# Altium PCB old PT1000_16CH.PCBDOC (part 5 of 5)
Units mil, origin at the board's own origin, x right, y up, seen from the top; angles counter-clockwise.
Board outline 8409.08 x 3937.01 mil, 4 copper layers (TOP, G1, L2, BOT), stack 61.024 mil thick; 557 components, 501 nets, 2175 pads, 416 vias.
Unrouted connection lines stored in the file: 636.
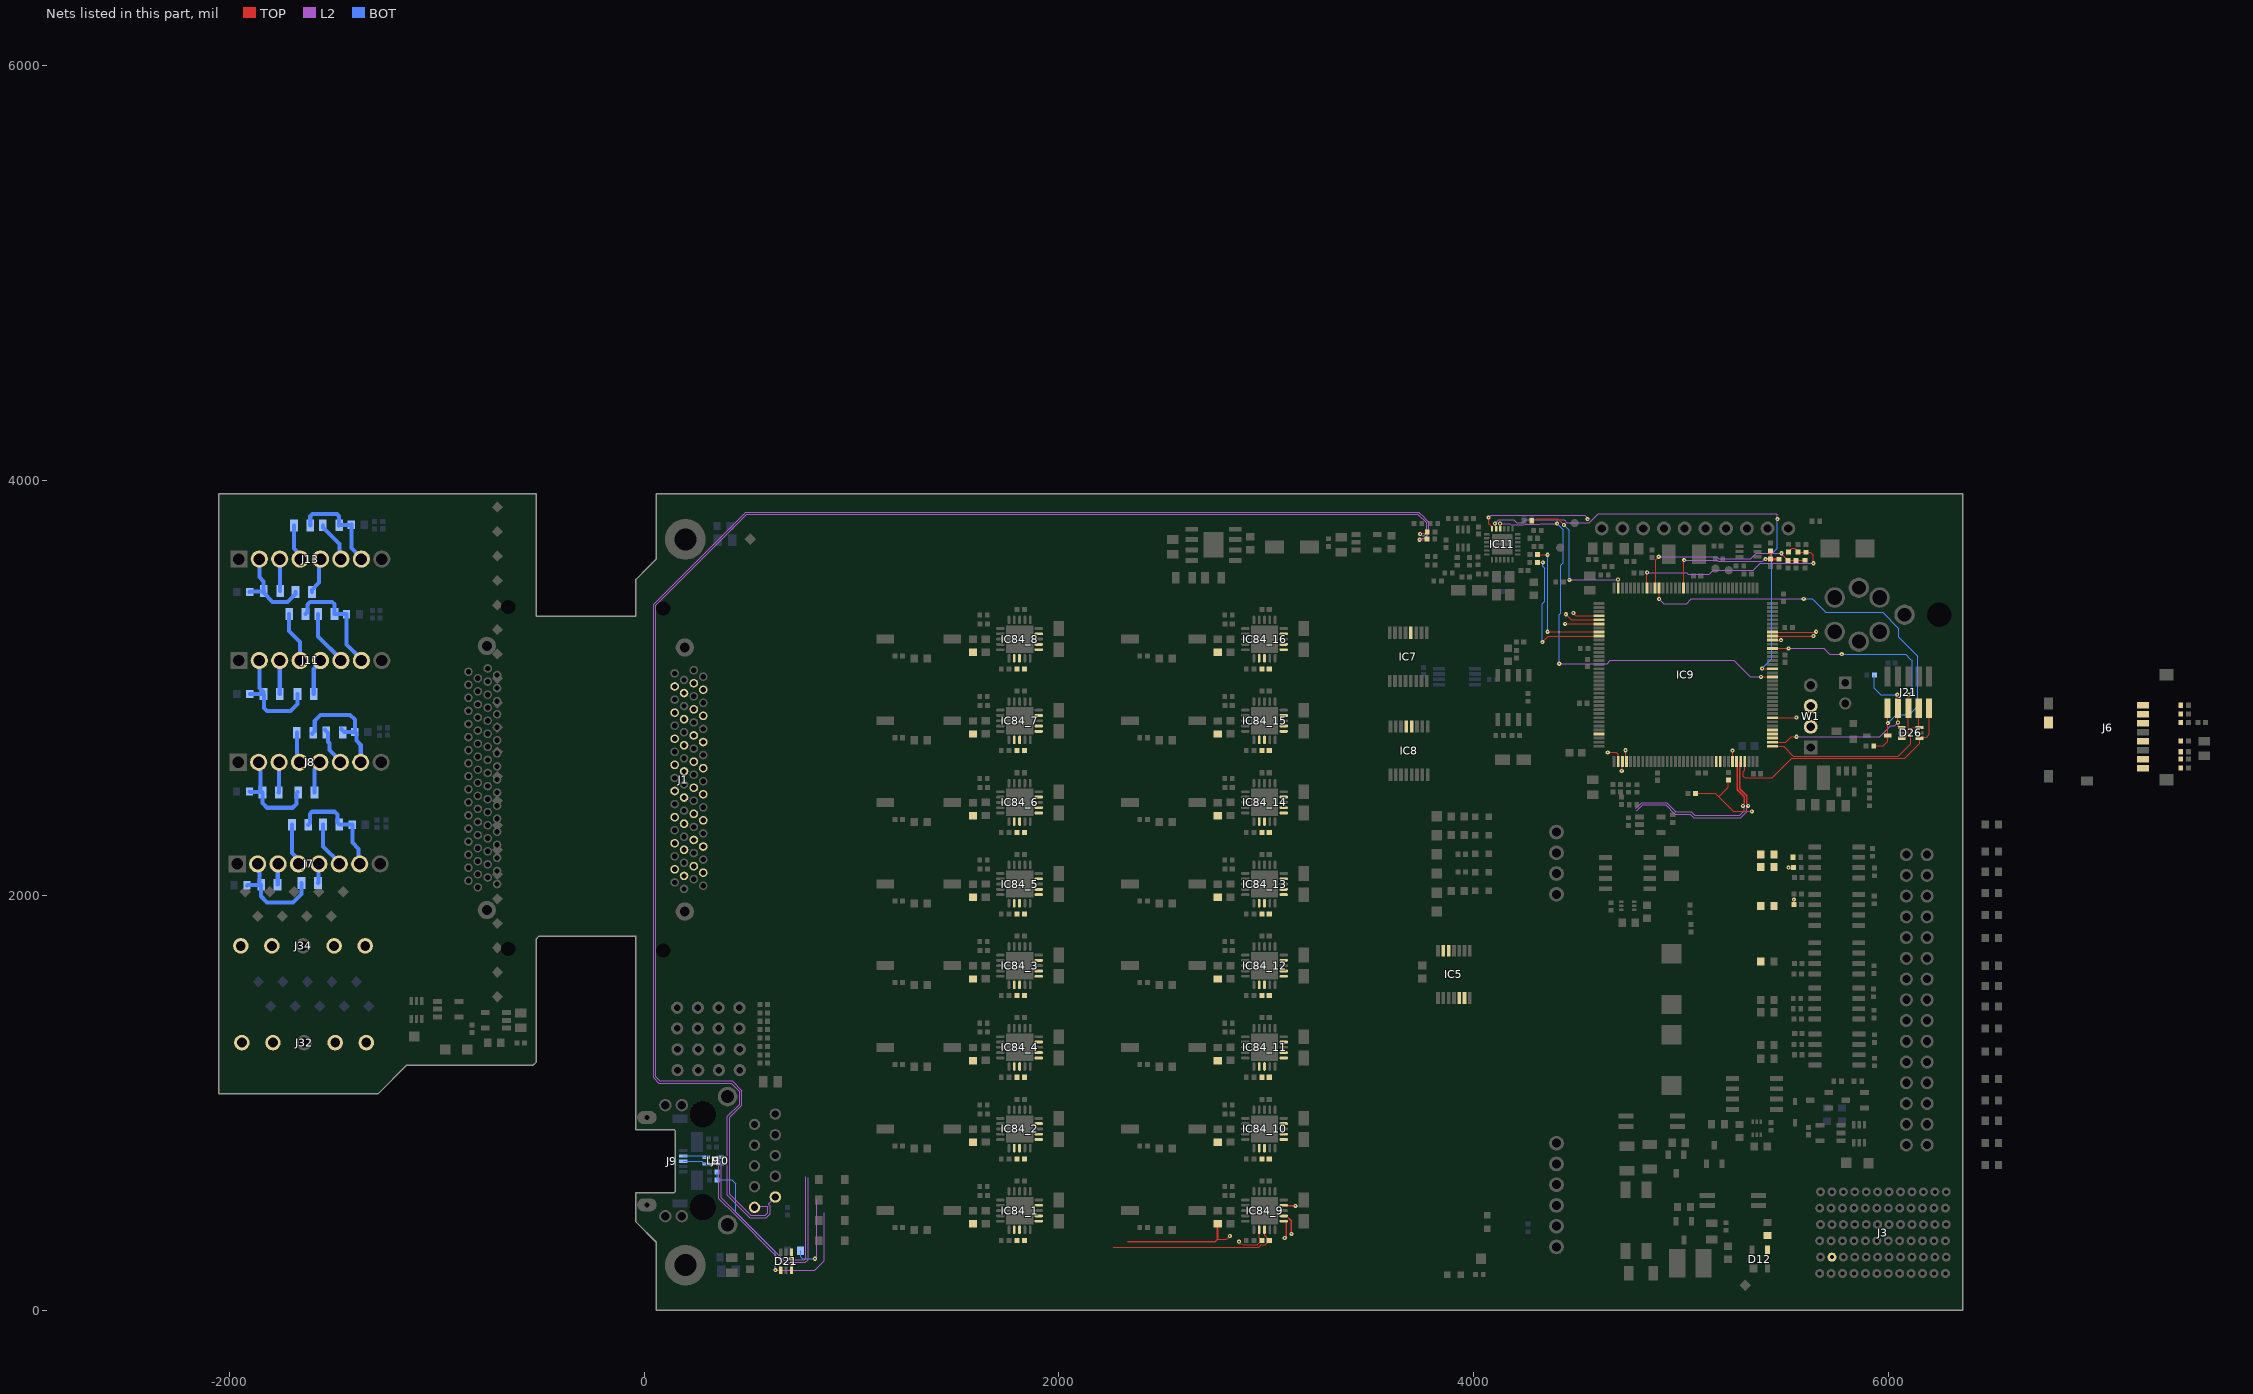
[diagram p7: the nets of this part, all layers, seen from the top]

## Via types
v1: diameter 19.68, hole 7.87, TOP to BOT, tented both sides, 335 vias
v2: diameter 27.56, hole 15.75, TOP to BOT, tented both sides, 56 vias
v3: diameter 23.62, hole 11.81, TOP to BOT, 10 vias
v4: diameter 19.68, hole 7.87, TOP to BOT, 5 vias
v5: diameter 23.62, hole 11.81, TOP to BOT, tented both sides, 5 vias
v6: diameter 25.98, hole 12.99, TOP to BOT, tented both sides, 5 vias

## Nets (pads, with @x,y where several pads share a name; then routed paths per layer and width w, separated by ;. In a path a pad name is that pad's centre, name@x,y a point inside that pad or via, vN(x,y) a via of type N, cw(c..) or ccw(c..) an arc to the next point about the centre after c; other vN are vias at no path point) (continued)
RMII_REF_CLK: IC9.35 R29.1 | length 725.4
  TOP w5: R29.1@4280.24,3806.89 4285.26,3811.91 4296.23,3811.91 4301.66,3817.34 4405.43,3817.34 v1(4436,3786.76) ; v1(4697.01,3523.6) 4697.48,3523.13 4697.48,3482.5 IC9.35@4697.95,3482.03
  L2 w5: v1(4462.45,3522.15) 4463.18,3522.88 4696.28,3522.88 v1(4697.01,3523.6)
  BOT w5: v1(4436,3786.76) 4462.45,3760.31 v1(4462.45,3522.15)
RMII_RXD0: IC9.44 R23.1 | length 669
  TOP w5: R23.1@4308.89,3642.91 R23.1@4308.89,3643.7 4356.56,3643.7 v1(4357.34,3642.91) ; v1(4357.34,3271.71) 4603.15,3271.71 IC9.44@4604.44,3270.41
  BOT w5: v1(4357.34,3271.71) 4358.03,3272.39 4358.03,3642.23 v1(4357.34,3642.91)
RMII_RXD1: IC9.45 R24.1 | length 703.9
  TOP w5: R24.1@4308.65,3606.3 v1(4334.49,3606.3) ; v1(4332.19,3221.74) 4361.18,3250.73 4555.23,3250.73 IC9.45@4604.44,3250.73
  BOT w5: v1(4332.19,3221.74) 4332.19,3406.85 4344.5,3419.15 4344.5,3577.31 4334.49,3587.32 v1(4334.49,3606.3)
RMII_TX_EN: IC9.126 IC11.16 | length 2070.7
  TOP w5: v1(4127.83,3793.62) 4128.28,3793.17 4128.28,3768.17 IC11.16@4128.73,3767.72 ; v1(5386.29,3053.88) IC9.126@5441.06,3053.88
  L2 w5: v1(4127.83,3793.62) 4175.84,3793.62 4182.65,3786.82 4243.15,3786.82 4245.99,3789.66 4317.42,3789.66 4321.08,3793.31 v1(4403.34,3793.31) ; v1(4413.51,3117.5) 4643.94,3117.5 4660.3,3133.86 5255.12,3133.86 5335.09,3053.88 v1(5386.29,3053.88)
  BOT w5: v1(4403.34,3793.31) 4432.72,3763.94 4432.72,3604.94 4420.68,3592.9 4420.68,3360.77 4413.51,3353.6 v1(4413.51,3117.5)
RMII_TXD0: IC9.128 IC11.17 | length 2256.8
  TOP w5: v1(4103.14,3793.62) 4103.14,3789.65 4106.03,3786.76 4106.03,3770.73 IC11.17@4109.04,3767.72 ; v1(5391.77,3094.48) 5392.39,3093.87 5440.44,3093.87 IC9.128@5441.06,3093.25
  L2 w5: v1(4103.14,3793.62) 4120.49,3810.97 4193.44,3810.97 4207.59,3796.82 4239.01,3796.82 4252.85,3810.66 4436.63,3810.66 4450.13,3797.16 4558.12,3797.16 4602.42,3841.46 5459.54,3841.46 5465,3836 v1(5465,3814.5)
  BOT w5: v1(5391.77,3094.48) 5439,3141.71 5439,3648.51 5465,3674.51 v1(5465,3814.5)
RMII_TXD1: IC9.74 IC11.18 | length 644.2
  TOP w5: v1(4073,3821.61) 4073,3792.15 4089.36,3775.79 IC11.18@4089.36,3767.72 ; v1(4647.4,2690.04) 4687.41,2690.04 4697.95,2679.5 IC9.74@4697.95,2645.41
  L2 w5: v1(4073,3821.61) 4085.73,3834.34 4536.76,3834.34 4543.02,3828.08 4543.02,3825.88 4550.43,3818.47 v1(4550.43,3814.5)
RSTn: D5.2 IC9.25 J21.10 R62.2 | length 2107.3
  TOP w5: v1(4894.8,3429.35) IC9.25@4894.8,3482.03 ; R62.2@5930.18,2721.3 5975.58,2721.3 5996.85,2742.57 J21.10@5996.85,2897.64
  L2 w5: v1(4894.8,3429.35) 4916.53,3407.62 5027.09,3407.62 5049.53,3430.06 5527.12,3430.06 v1(5592.52,3430.06)
  BOT w5: v1(5592.52,3430.06) 5633.9,3430.06 5698.8,3365.16 5972.47,3365.16 6050.98,3286.65 6050.98,3243.97 6142,3152.95 6142,2911.77 6101.78,2871.55 6037.97,2871.55 v1(5997.75,2831.33)
RTDIN_N00: C156_1.2 IC84_1.8 J1.4
RTDIN_N01: C156_2.2 IC84_2.8 J1.8
RTDIN_N02: C156_3.2 IC84_3.8 J1.12
RTDIN_N03: C156_4.2 IC84_4.8 J1.16
RTDIN_N04: C156_5.2 IC84_5.8 J1.20
RTDIN_N05: C156_6.2 IC84_6.8 J1.24
RTDIN_N06: C156_7.2 IC84_7.8 J1.28
RTDIN_N07: C156_8.2 IC84_8.8 J1.32
RTDIN_N08: C156_9.2 IC84_9.8 J1.38 | length 828
  TOP w6: 2263.14,302.62 2869.79,302.62 2963.29,302.62 2975.29,314.62 2995.46,314.62 3000.73,319.9 3000.73,321.6 C156_9.2@3014.96,335.83 3005.75,345.03 3005.75,346.74 2992.13,360.37 IC84_9.8@2992.13,387.8
RTDIN_N09: C156_10.2 IC84_10.8 J1.42
RTDIN_N10: C156_11.2 IC84_11.8 J1.46
RTDIN_N11: C156_12.2 IC84_12.8 J1.50
RTDIN_N12: C156_13.2 IC84_13.8 J1.54
RTDIN_N13: C156_14.2 IC84_14.8 J1.58
RTDIN_N14: C156_15.2 IC84_15.8 J1.62
RTDIN_N15: C156_16.2 IC84_16.8 J1.66
RTDIN_P00: C156_1.1 IC84_1.7 J1.3 R351_1.2
RTDIN_P01: C156_2.1 IC84_2.7 J1.7 R351_2.2
RTDIN_P02: C156_3.1 IC84_3.7 J1.11 R351_3.2
RTDIN_P03: C156_4.1 IC84_4.7 J1.15 R351_4.2
RTDIN_P04: C156_5.1 IC84_5.7 J1.19 R351_5.2
RTDIN_P05: C156_6.1 IC84_6.7 J1.23 R351_6.2
RTDIN_P06: C156_7.1 IC84_7.7 J1.27 R351_7.2
RTDIN_P07: C156_8.1 IC84_8.7 J1.31 R351_8.2
RTDIN_P08: C156_9.1 IC84_9.7 J1.37 R351_9.2 | length 763.8
  TOP w6: 2765.75,342.52 2809.17,342.52 v1(2824.8,358.15) ; v1(2868.85,330.85) 2868.85,321.43 2869.75,320.53 2882.88,320.53 2888.79,314.62 2958.32,314.62 C156_9.1@2979.53,335.83 2966.54,348.82 IC84_9.7@2966.54,387.8
  TOP w7.87: 2334.06,330.85 2754.07,330.85 2765.75,342.52 R351_9.2@2765.75,415.24
RTDIN_P09: C156_10.1 IC84_10.7 J1.41 R351_10.2
RTDIN_P10: C156_11.1 IC84_11.7 J1.45 R351_11.2
RTDIN_P11: C156_12.1 IC84_12.7 J1.49 R351_12.2
RTDIN_P12: C156_13.1 IC84_13.7 J1.53 R351_13.2
RTDIN_P13: C156_14.1 IC84_14.7 J1.57 R351_14.2
RTDIN_P14: C156_15.1 IC84_15.7 J1.61 R351_15.2
RTDIN_P15: C156_16.1 IC84_16.7 J1.65 R351_16.2
RXD: IC9.137 W1.2 | length 211.7
  TOP w5: IC9.137@5441.06,3270.41 5650.73,3270.41 v1(5652.19,3271.87)
SCKI: IC9.69 R41.2 R110.1
SD_CK: IC9.113 J6.5 R13.1
SD_CMD: IC9.116 J6.3 R9.1 | length 116.5
  TOP w5: IC9.116@5441.06,2857.03 5441.68,2857.65 5556.47,2857.65 v1(5557.09,2858.27)
SD_D0: IC9.98 J6.7 R78.1 R79.1
SD_D1: IC9.99 J6.8
SD_D2: IC9.111 J6.1 R76.1
SD_D3: IC9.112 J6.2 R77.1
SD_SW: J6.12 R80.1
SDI: IC9.76 R37.2 R108.1 | length 81.4
  TOP w5: v1(4733,2700.34) 4735.16,2698.18 4735.16,2647.57 IC9.76@4737.32,2645.41 ; v1(5518.89,2134.29) R108.1@5543.6,2134.29
SDO: IC9.75 R38.2 R113.1 | length 69.7
  TOP w5: v1(4715.01,2600.95) 4717.63,2603.57 IC9.75@4717.63,2645.41 ; R113.1@5544.95,1955.38 v1@5544.95,1979.5
  BOT w5: v1@5544.95,1979.5 v1(5545,1979.55)
SENSB0_1: J7.6 R157.1 | length 216.7
  BOT w19.68: R157.1@-1548.37,2342 -1548.37,2236.91 J7.6@-1469.43,2157.96
SENSB0_2: J7.5 R158.1 | length 99.9
  BOT w19.68: R158.1@-1572.63,2060 -1570.24,2062.39 -1570.24,2155.57 J7.5@-1567.85,2157.96
SENSB1_1: J7.4 R159.1 | length 196.1
  BOT w19.68: R159.1@-1697.74,2341 -1697.74,2204.34 -1666.28,2172.88 J7.4@-1666.28,2157.96
SENSB1_2: J7.3 R160.1 | length 107.2
  BOT w19.68: R160.1@-1767.63,2052 -1766.17,2053.46 -1766.17,2156.5 J7.3@-1764.7,2157.96
SENSB2_1: J8.6 R163.1 | length 181.3
  BOT w19.68: R163.1@-1538,2799 -1523.14,2784.14 -1523.14,2740.14 -1517,2734 -1517,2700.68 J8.6@-1464.47,2648.15
SENSB2_2: J8.5 R164.1 | length 153.1
  BOT w19.68: R164.1@-1589,2497 -1589,2607.13 -1567,2629.13 J8.5@-1567,2641
SENSB3_1: J8.4 R165.1 | length 126.4
  BOT w19.68: R165.1@-1674.37,2785 -1674.37,2676.11 -1664.26,2666 J8.4@-1661,2666
SENSB3_2: J8.3 R167.1 | length 151.5
  BOT w19.68: R167.1@-1761.26,2497 -1760.5,2497.76 -1760.5,2647.5 J8.3@-1760,2648
SENSB4_1: J11.6 R168.1 | length 263.4
  BOT w19.68: R168.1@-1571.37,3357 -1571.37,3248.91 J11.6@-1461.52,3139.06
SENSB4_2: J11.5 R169.1 | length 180.6
  BOT w19.68: R169.1@-1592.63,2972 -1592.63,3091.46 -1559.95,3124.14 J11.5@-1559.95,3139.06
SENSB5_1: J11.4 R171.1 | length 241.2
  BOT w19.68: R171.1@-1711.37,3357 -1713,3355.37 -1713,3276 -1658.37,3221.37 J11.4@-1658.37,3139.06
SENSB5_2: J11.3 R172.1 | length 168.3
  BOT w19.68: J11.3@-1756.8,3139.06 -1756.53,3138.79 -1756.53,2971.27 R172.1@-1756.26,2971
SENSB6_1: J13.6 R176.1 | length 193.1
  BOT w19.68: R176.1@-1548.74,3785 -1548.74,3775.16 -1468.6,3695.02 -1468.6,3635.21 J13.6@-1461.47,3628.09
SENSB6_2: J13.5 R177.1 | length 181.4
  BOT w19.68: R177.1@-1601.63,3464 -1601.63,3473.84 -1567,3508.47 -1567,3620.98 J13.5@-1559.9,3628.09
SENSB7_1: J13.4 R178.1 | length 168.4
  BOT w19.68: R178.1@-1688.37,3784 -1688.37,3673.05 -1658.32,3643 J13.4@-1658.32,3628.09
SENSB7_2: J13.3 R179.1 | length 175.9
  L2 w19.68: J13.3@-1756.75,3628.09 J13.3@-1756.75,3643
  BOT w19.68: J13.3@-1756.75,3628.09 -1755.69,3627.03 -1755.69,3469.06 R179.1@-1754.63,3468
SERVMOD_3V3: D12.3 IC5.5 IC5.6 IC5.12 IC5.13 J3.K2 R86.2
SPI1_CS: R40.1
SPI1_MISO: IC9.42 IC84_1.14 IC84_2.14 IC84_3.14 IC84_4.14 IC84_5.14 IC84_6.14 IC84_7.14 IC84_8.14 IC84_9.14 IC84_10.14 IC84_11.14 IC84_12.14 IC84_13.14 IC84_14.14 IC84_15.14 IC84_16.14 R38.1 | length 222
  TOP w5: v1(4441.87,3309.78) 4470.14,3309.78 IC9.42@4604.44,3309.78
  TOP w7.87: IC84_9.14@3084.65,505.91 3086.89,508.15 3091.89,503.15 v1(3141.08,503.15)
SPI1_MOSI: IC9.135 IC84_1.11 IC84_2.11 IC84_3.11 IC84_4.11 IC84_5.11 IC84_6.11 IC84_7.11 IC84_8.11 IC84_9.11 IC84_10.11 IC84_11.11 IC84_12.11 IC84_13.11 IC84_14.11 IC84_15.11 IC84_16.11 R37.1 | length 135.9
  TOP w5: IC9.135@5441.06,3231.04 v1(5483,3231)
  TOP w7.87: IC84_9.11@3084.65,429.13 3093.73,429.13 3096.46,426.41 3096.46,354.8 v1(3089.8,348.15)
SPI1_NSS: IC7.4 IC8.4 IC8.5 IC9.40 | length 129.1
  TOP w5: v1(4481.79,3361.95) 4481.79,3359.98 4492.61,3349.15 4565.64,3349.15 IC9.40@4604.44,3349.15
SPI1_SCK: IC9.41 IC84_1.12 IC84_2.12 IC84_3.12 IC84_4.12 IC84_5.12 IC84_6.12 IC84_7.12 IC84_8.12 IC84_9.12 IC84_10.12 IC84_11.12 IC84_12.12 IC84_13.12 IC84_14.12 IC84_15.12 IC84_16.12 R41.1 | length 280
  TOP w5: v1(4445.3,3356.04) 4471.87,3329.47 IC9.41@4604.44,3329.47
  TOP w7.87: IC84_9.12@3084.65,454.72 3098.42,454.72 3121.3,431.85 v1(3121.3,368.15)
SWCLK: D26.3 IC9.109 J21.4 | length 918.1
  TOP w5: IC9.109@5441.06,2719.23 5495.18,2719.23 5542,2672.42 6047.97,2672.42 6107.89,2732.34 6107.89,2801.5 6115.97,2809.58 D26.3@6139.26,2809.58 ; J21.4@6146.85,2897.64 6146.85,2817.16 D26.3@6139.26,2809.58 ; D26.3@6151.2,2809.58 D26.3@6139.26,2809.58
SWDIO: D26.1 IC9.105 J21.2 | length 1196.3
  TOP w5: IC9.105@5308.18,2645.41 5308.18,2603.76 5301.75,2597.33 5301.75,2574.74 5309.25,2567.24 5439.43,2567.24 5534.61,2662.42 6080.37,2662.42 6151.2,2733.25 D26.1@6151.2,2758.4 6156.57,2763.77 6185.07,2763.77 6198.79,2777.49 6198.79,2815.23 6196.85,2817.16 J21.2@6196.85,2897.64
TD_N: J10.2 R134.2 | length 7698.2
  TOP w6: v1(3740.16,3715.47) 3773.12,3715.47 R134.2@3775.55,3717.91
  L2 w5: J10.2@633.04,545.87 633.04,544.4 631.58,544.4 601.6,514.42 601.6,508.82 607.83,502.58 607.83,464.72 589.44,446.33 510.23,446.33 402.54,554.01 402.54,934.64 461.39,993.49 461.39,1054.35 442.61,1073.13 421.42,1094.31 72.22,1094.31 68.99,1097.54 46.09,1120.44 46.09,3403.86 491.02,3848.8 3736.77,3848.8 3761.55,3824.02 3765.43,3820.13 3784.89,3800.68 3784.89,3744.63 3763.97,3723.7 3750.43,3723.7 3742.2,3715.47 v1(3740.16,3715.47)
TD_P: J10.1 R133.2 | length 7608.9
  TOP w6: v1(3742.93,3742.93) 3745.55,3745.55 3761.25,3745.55 3762.28,3746.57 3769.97,3746.57 R133.2@3776.73,3753.34
  L2 w5: J10.1@533.04,495.87 538.21,501.04 593.82,501.04 596.83,498.02 596.83,469.27 584.89,457.33 514.79,457.33 413.54,558.57 413.54,930.09 472.39,988.93 472.39,1058.91 425.98,1105.31 76.77,1105.31 57.09,1125 57.09,3399.31 495.58,3837.8 3732.21,3837.8 3773.89,3796.12 3773.89,3749.18 3759.41,3734.7 3753.2,3734.7 3744.97,3742.93 v1(3742.93,3742.93)
TDI: D26.4 IC9.110 J21.8 R33.1 | length 1023.8
  TOP w6: IC9.110@5441.06,2738.92 5504.92,2738.92 5531.33,2765.33 v1(5558.51,2765.33) ; v1(6043.31,2968) 6045.08,2966.23 6045.08,2835.64 v1(6046.85,2833.86) 6048.88,2831.83 D26.4@6048.88,2814.45 ; D26.4@6048.88,2814.45 6059.71,2814.45 D26.4@6064.58,2809.58 6053.76,2809.58 D26.4@6048.88,2814.45
  L2 w6: v1(5558.51,2765.33) 5559.72,2766.55 5959.6,2766.55 6011.09,2818.04 6031.02,2818.04 v1(6046.85,2833.86)
  BOT w6: R33.1@5933.13,3062.83 5933.13,2998.14 5963.27,2968 v1(6043.31,2968)
TDO: D26.6 IC9.133 J21.6 | length 1100.2
  TOP w6: IC9.133@5441.06,3191.67 v1(5519.69,3191.67) ; D26.6@6064.58,2758.4 6075.41,2758.4 6085.13,2768.11 6086.6,2768.11 6096.85,2778.37 6096.85,2967.85 v1(6097,2968)
  L2 w6: v1(5519.69,3191.67) 5690.08,3191.67 5718.37,3163.39 v1(5775.59,3163.39)
  BOT w6: v1(5775.59,3163.39) 6083.44,3163.39 6104.24,3142.59 6114.69,3132.14 6114.69,3131.7 6114.95,3131.45 6114.95,2985.95 v1(6097,2968)
TECB0+: J32.5
TECB0-: J32.4
TECB1+: J32.2
TECB1-: J32.1
TECB2+: J34.5
TECB2-: J34.4
TECB3+: J34.2
TECB3-: J34.1
TXD: IC9.136 W1.3 | length 198.1
  TOP w5: IC9.136@5441.06,3250.73 5638.73,3250.73 v1(5639,3251)
U_meas_P3V3: C126.1 IC9.19 R92.1 R93.1 | length 639.5
  TOP w5: IC9.19@5012.91,3482.03 5014.45,3483.58 5014.45,3615.45 v1(5016,3617)
  TOP w10: v1(5408.95,3622.05) C126.1@5433.07,3622.05 ; R92.1@5433.07,3662.6 C126.1@5433.07,3622.05 ; R93.1@5472.44,3620.87 5471.85,3621.46 5433.66,3621.46 C126.1@5433.07,3622.05
  L2 w5: v1(5016,3617) 5175.08,3617 5179.48,3612.6 5395.53,3612.6 5404.98,3622.05 v1(5408.95,3622.05)
U_meas_P5V0: C93.1 IC9.26 R82.2 R84.1 | length 898.6
  TOP w5: IC9.26@4875.11,3482.03 4879.36,3486.28 4879.36,3619.39 v1(4893.31,3633.34) ; v1(5484.27,3650.15) 5484.27,3647.04 5515.63,3615.68 5555,3615.68 C93.1@5555.78,3614.9 5557.36,3616.47 R84.1@5599.35,3616.47
  L2 w5: v1(4893.31,3633.34) 4894.31,3634.34 5171.88,3634.34 5183.62,3622.6 5335.82,3622.6 5363.37,3650.15 v1(5484.27,3650.15)
U_meas_P12V0: C92.1 IC9.28 R81.1 R83.1 | length 1081
  TOP w5: IC9.28@4835.74,3482.03 4835.74,3555.82 v1(4837.2,3557.27) ; R83.1@5519.69,3656.06 5520.47,3656.06 5538.04,3673.63 5548.74,3673.63 5567.09,3655.28 R81.1@5604.13,3655.28 5623.84,3655.28 5639,3640.12 v1(5639,3602)
  L2 w5: v1(4837.2,3557.27) 5027.3,3557.27 5034.81,3549.76 5137.03,3549.76 5155.56,3568.29 5349.49,3568.29 5383.2,3602 v1(5639,3602)
USB_ID: C108.2 D21.1 FB2.1 IC9.102 | length 1195.3
  TOP w5: v1(633.04,192.91) D21.1@659.45,192.91 ; IC9.102@5249.13,2645.41 v1(5249.13,2698.18)
  L2 w5: v1(633.04,192.91) 822.37,192.91 868.33,238.87 868.33,469.27
  BOT w5: FB2.1@352.17,666.34 352.17,629.33 C108.2@351.77,628.94 422.21,628.94 442.49,608.66 442.49,471.27 633.04,280.72 v1(633.04,192.91)
USB_N: D21.4 IC9.103 L9.2 | length 2030.6
  TOP w5: v1(709.95,248.67) 709.95,278.85 D21.4@710.63,279.53
  TOP w6.69: IC9.103@5268.81,2645.41 5272.31,2641.92 5272.31,2509.21 5305.38,2476.14 5305.38,2441.41
  L2 w5: 4782.7,2419.44 4811.21,2447.95 4931.08,2447.95 4955.82,2423.22 4959.71,2419.33 4976.04,2402.99 5049.69,2402.99 5066.88,2385.81 5283.23,2385.81 5306.23,2408.8 5306.23,2422.84 5299.39,2429.68 v1(5299.39,2431.9)
  L2 w5.98: v1(333.66,733.69) 337.37,733.69 343.72,727.34 357.44,727.34 373.37,711.42 373.37,542.45 673.95,241.88 699.6,241.88 706.39,248.67 v1(709.95,248.67) 713.66,248.67 719.56,242.77 773.28,242.77 779.53,249.02 779.53,644.59
  BOT w5: 341.91,726.85 351,726.85 351.91,727.76 351.91,731.72 357.28,737.1 L9.2@367.13,737.1
USB_P: D21.3 IC9.104 L9.3 | length 2047.1
  TOP w5: v1(710.55,223.99) 710.55,192.99 D21.3@710.63,192.91
  TOP w6.69: IC9.104@5288.5,2645.41 5285,2641.92 5285,2514.47 5318.07,2481.39 5318.07,2441.41
  L2 w5: 4787.26,2408.44 4815.76,2436.95 4926.53,2436.95 4971.48,2391.99 5045.13,2391.99 5062.32,2374.81 5287.79,2374.81 5317.23,2404.24 5317.23,2422.84 5324.07,2429.68 v1(5324.07,2431.9)
  L2 w5.98: v1(333.66,709.01) 337.37,709.01 343.72,715.36 352.48,715.36 361.39,706.45 361.39,537.49 394.53,504.35 403,495.88 668.98,229.89 700.95,229.89 ; v1(710.55,223.99) 714.12,223.99 720.91,230.79 778.25,230.79 791.51,244.05 791.51,639.63
  BOT w5: 341.91,715.85 351,715.85 351.91,714.94 351.91,710.98 357.28,705.6 L9.3@367.13,705.6
USB_VBUS: R34.2 R73.1 R75.1 | length 799.3
  TOP w5: R75.1@5070.78,2491.88 5165.08,2491.88 5181.88,2475.08 ; R34.2@5229.44,2556.24 5229.44,2522.64 5181.88,2475.08 ; v1(5342.17,2405.26) 5251.7,2405.26 5181.88,2475.08
  L2 w5: v1(824.41,248.32) 832.68,256.59 832.68,533.46
  BOT w5: R73.1@754.92,286.42 754.92,256.89 763.49,248.32 v1(824.41,248.32)
USBJ_N: J9.2 L9.1 | length 114.1
  BOT w5: J9.2@188.98,744.09 283.36,744.09 290.35,737.1 L9.1@300.2,737.1
USBJ_P: J9.3 L9.4 | length 116.6
  BOT w5: J9.3@188.98,718.5 277.45,718.5 290.35,705.6 L9.4@300.2,705.6
Vrefb0+: J7.7 R155.1 R157.2 R159.2 | length 510.9
  BOT w19.68: R159.2@-1619,2341 -1610.14,2349.86 -1610.14,2393.65 -1600,2403.79 -1492.13,2403.79 -1478.49,2390.15 -1478.49,2350.86 R157.2@-1469.63,2342 -1469.13,2341.5 -1407,2341.5 R155.1@-1406.5,2341 -1406.5,2254.59 -1376.79,2224.89 -1376.79,2163.75 J7.7@-1371,2157.96
Vrefb0-: J7.2 R156.2 R158.2 R160.2 | length 514.3
  BOT w19.68: R156.2@-1914.5,2049 -1913,2050.5 -1847.87,2050.5 R160.2@-1846.37,2052 ; J7.2@-1863.13,2157.96 -1854.75,2149.58 -1854.75,2060.38 R160.2@-1846.37,2052 ; R158.2@-1651.37,2060 -1651.37,2007.63 -1692,1967 -1817.11,1967 -1846.37,1996.26 R160.2@-1846.37,2052
Vrefb1+: J8.7 R161.1 R163.2 R165.2 | length 564.7
  BOT w19.68: R165.2@-1600,2780 -1588,2792 -1588,2842 -1560,2870 -1417,2870 -1394.5,2847.5 R161.1@-1394.5,2789 ; R163.2@-1458,2802 -1458,2801.1 -1444.4,2787.5 -1396,2787.5 R161.1@-1394.5,2789 ; J8.7@-1366.05,2648.15 -1366.05,2726.05 ; -1365,2725 -1366.05,2726.05 ; R161.1@-1394.5,2789 -1386.62,2781.13 -1386.62,2746.62 -1366.05,2726.05
Vrefb1-: J8.2 R162.2 R164.2 R167.2 | length 515.3
  BOT w19.68: R162.2@-1902.5,2501 -1900.5,2499 R167.2@-1842,2499 ; J8.2@-1859,2652 -1848.86,2641.86 -1848.86,2505.86 R167.2@-1842,2499 ; R164.2@-1671,2498 -1676.6,2492.4 -1676.6,2441.4 -1695,2423 -1818,2423 -1840,2445 R167.2@-1840,2497 R167.2@-1842,2499
Vrefb2+: J11.7 R166.1 R168.2 R171.2 | length 542.5
  BOT w19.68: R171.2@-1632.63,3357 -1623.77,3365.86 -1623.77,3401.86 -1609.63,3416 -1504.16,3416 -1492.63,3404.47 R168.2@-1492.63,3357 -1492.13,3356.5 -1435.5,3356.5 R166.1@-1435,3356 -1435,3210.96 J11.7@-1363.09,3139.06
Vrefb2-: J11.2 R169.2 R170.2 R172.2 | length 539.3
  BOT w19.68: R170.2@-1900.5,2971 R172.2@-1835,2971 ; J11.2@-1855.22,3139.06 -1855.22,3001.06 -1835,2980.84 R172.2@-1835,2971 ; R169.2@-1671.37,2972 -1671.37,2923.95 -1705.32,2890 -1819,2890 -1833.37,2904.37 -1833.37,2969.37 R172.2@-1835,2971
Vrefb3+: J13.7 R176.2 R178.2 R180.1 | length 483.9
  TOP w5: J13.7@-1363.05,3628.09 J13.7@-1355.99,3628.09
  BOT w19.68: R178.2@-1609.63,3784 -1609.63,3828.47 -1598.1,3840 -1481.53,3840 -1470,3828.47 R176.2@-1470,3785 -1468.5,3786.5 -1413,3786.5 R180.1@-1411.5,3788 -1411.5,3676.54 J13.7@-1363.05,3628.09
Vrefb3-: J13.2 R177.2 R179.2 R181.2 | length 444.9
  BOT w19.68: R181.2@-1901.5,3464 -1899.5,3466 -1835.37,3466 R179.2@-1833.37,3468 ; J13.2@-1855.17,3628.09 -1855.17,3535.17 -1835,3515 -1835,3469.63 R179.2@-1833.37,3468 ; R177.2@-1680.37,3464 -1680.37,3454.16 -1718.53,3416 -1791.21,3416 -1833.37,3458.16 R179.2@-1833.37,3468
pads on no net: D3.1 D3.6 D12.2 D21.6 D27.1 D27.6 D36.1 D36.3 FTG1.1 FTG2.1 FTG3.1 FTG4.1 IC2.5 IC3.4 IC3.5 IC3.6 IC3.9 IC9.3 IC9.4 IC9.5 IC9.14 IC9.15 IC9.18 IC9.29 IC9.34 IC9.37 IC9.46 IC9.47 IC9.49 IC9.58 IC9.60 IC9.64 IC9.66 IC9.67 IC9.70 IC9.81 IC9.82 IC9.85 IC9.86 IC9.89 IC9.90 IC9.91 IC9.92 IC9.96 IC9.97 IC9.115 IC9.117 IC9.118 IC9.119 IC9.122 IC9.123 IC9.127 IC12.4 IC16.1 IC16.3 IC16.5 IC16.8 IC18.4 IC18.7 IC28.5 IC29.3 IC29.4 IC29.6 IC30.5 IC30.6 IC33.4 IC36.3 IC36.5 IC36.6 IC39.3 IC39.4 IC39.6 IC84_1.17 IC84_1.18 IC84_2.17 IC84_2.18 IC84_3.17 IC84_3.18 IC84_4.17 IC84_4.18 IC84_5.17 IC84_5.18 IC84_6.17 IC84_6.18 IC84_7.17 IC84_7.18 IC84_8.17 IC84_8.18 IC84_9.17 IC84_9.18 IC84_10.17 IC84_10.18 IC84_11.17 IC84_11.18 IC84_12.17 IC84_12.18 IC84_13.17 IC84_13.18 IC84_14.17 IC84_14.18 IC84_15.17 IC84_15.18 IC84_16.17 IC84_16.18 J1.71 J1.72 J2.71 J2.72 J3.A5 J3.B1 J3.B5 J3.B6 J3.C6 J3.D5 J3.E2 J3.E4 J3.E5 J3.F2 J3.F4 J3.G3 J3.H2 J3.H3 J3.H6 J3.I2 J3.I6 J3.J3 J3.K3 J3.K6 J3.L2 J3.L6 J4.2 J5.5 J10.MH1 J10.MH2 J21.7 J21.9
copper on no net: | length 2083.6
  TOP w5: 5441.06,2994.82 5569.62,2994.82 5592.02,2972.42 5690.28,2972.42 5693,2975.14 v1(5694.29,2975.14)
  BOT w5: v1(5694.29,2975.14) 5728.04,2941.39 5728.04,2032.31 5728.04,1544.99 5717.08,1534.03 5717.08,1299.6
  BOT w7.87: 2641.8,584.37 2767.72,584.37

## Polygon pours and split planes (outlines as drawn)
P3V3 on TOP "O8_Vs2" (solid, remove dead copper, shelved, pour order 53): 4477.28,3643.7 4477.28,2562.75 4560.63,2479.39 5427.96,2479.39 5501.75,2405.61 5617.98,2405.61 5638.46,2426.08 5638.46,2620.47 5690.41,2672.42 6025.6,2672.42 6097,2743.82 6097,3057.27 6021.65,3132.62 5718.44,3132.62 5624.64,3226.42 5624.64,3796.3 5577.15,3843.8 4549.07,3843.8 4471.46,3766.19 4471.46,3642.91
P12V0_IN on TOP "TOP-P12V0_IN" (solid, remove dead copper, shelved, pour order 51): 4936.08,2023.35 4956.04,2003.39 5090.95,2003.39 5121.49,2033.93 5255.5,2033.93 5256.89,2035.32 5267.65,2024.55 5267.65,872.56 5345,795.21 5726.83,413.39 5946.92,413.39 5974.37,440.84 5974.37,541.63 5850.5,665.5 5740.13,665.5 5520.58,885.05 5520.58,2196.79 5568.79,2245 6054.15,2245 6358.27,2549.11 6358.27,3544.73 6103.79,3799.21 5710.21,3799.21 5650.73,3739.73 5650.73,3242.56 5733.11,3160.18 6169.29,3160.18 6212.7,3116.77 6212.7,2646.02 5956.08,2389.4 5285.21,2389.4 5245.43,2349.62 5245.42,2171.8 4966.01,2173.52 4936.08,2143.58
P12V0_POE on TOP "O8_Vs2" (solid, remove dead copper, shelved, pour order 48): 5258.04,2020 5259.03,1243 4561.56,1243 4561.56,2204.74 4606.84,2250.01 4868.27,2250.01 4909.86,2208.43 4909.86,1920.93 4975.41,1855.38 5045.88,1855.38 5071.96,1881.46 5071.96,1959.35 5132.61,2020
P12V0 on TOP "O8_Vs2" (solid, remove dead copper, shelved, pour order 55): 4279.02,2283.75 4449.27,2454 4822.7,2454 4972.34,2304.36 5192.72,2304.36 5224.59,2272.49 5224.59,2198.49 5210.38,2184.29 4947.56,2184.29 4794.68,2337.16 4594.69,2337.16 4552.63,2295.11 4552.63,999.29 4449.27,895.93 4449.27,146.12 4385.83,82.68 4308.07,82.68 4279.03,111.72
P12V0_EEM on TOP "O8_Vs2" (solid, remove dead copper, shelved, pour order 47): 6007,356 6260,356 6339,435 6339,896 6283,952 6070,952 6005.4,887.4 6005.4,358.6 6007,357
AVDDT_PHY on BOT "O8_Vs2" (solid, remove dead copper, shelved, pour order 56): 4033.85,3823 4103.14,3753.71 4103.14,3518.88 4046.26,3462 3770,3462 3698,3534 3698,3717.2 3761.21,3780.41 3833.8,3780.41 3876.39,3823
P3V3 on L2 "O8_Vs2" (solid, remove dead copper, shelved, pour order 52): 5526.84,1077 5526.84,2363.05 5407.26,2482.63 4542.37,2482.63 4492.81,2532.19 4492.81,2653.83 4556.66,2717.68 5210.95,2717.68 5318.04,2824.76 5318.04,3423.25 5296.69,3444.6 4250.4,3444.6 4166.35,3528.65 3386.35,3528.65 3359,3556 3359,3641.67 3355,3645.67 3476.54,3767.21 4509.04,3767.21 4600.1,3858.27 5868.94,3858.27 6233,3494.21 6233,1165 6078.89,1010.89 5561.96,1010.89 5528,1044.85 5528,1077
GND on G1 (split plane): -539.6,3347 -539.21,3343.08 -538.07,3339.31 -536.21,3335.83 -533.71,3332.79 -530.67,3330.29 -527.19,3328.43 -523.42,3327.29 -519.5,3326.9 -38.95,3326.9 -35.02,3327.29 -31.25,3328.43 -27.78,3330.29 -24.73,3332.79 -22.24,3335.83 -20.38,3339.31 -19.23,3343.08 -18.85,3347 -18.85,3515.72 33.9,3568.47 73.27,3607.84 75.76,3610.88 77.62,3614.36 78.77,3618.13 79.15,3622.05 79.15,3916.9 6337.96,3916.9 6337.96,20.1 79.15,20.1 79.15,327.55 78.77,331.47 77.62,335.24 75.76,338.71 73.27,341.76 -18.85,433.87 -18.85,546.83 145.67,546.83 149.59,547.22 153.36,548.36 156.83,550.22 159.88,552.72 163.82,556.66 166.32,559.7 168.17,563.18 169.32,566.95 169.7,570.87 169.7,866.14 169.32,870.06 168.17,873.83 166.32,877.31 163.82,880.35 159.88,884.29 156.83,886.79 153.36,888.65 149.59,889.79 145.67,890.18 -18.85,890.18 -18.85,1803.47 -19.04,1805.39 -19.23,1807.37 -19.23,1807.38 -19.23,1807.39 -19.79,1809.23 -20.37,1811.14 -20.38,1811.15 -20.38,1811.16 -21.29,1812.86 -22.22,1814.62 -22.23,1814.63 -22.24,1814.63 -23.46,1816.13 -24.72,1817.67 -24.73,1817.67 -24.73,1817.68 -26.26,1818.93 -27.76,1820.17 -27.77,1820.17 -27.78,1820.18 -29.52,1821.11 -31.24,1822.03 -31.25,1822.03 -31.25,1822.04 -33.14,1822.61 -35.01,1823.18 -35.02,1823.18 -36.99,1823.37 -38.93,1823.57 -506.09,1823.99 -506.1,1823.99 -506.11,1823.99 -508.08,1823.8 -510.01,1823.61 -510.02,1823.61 -510.03,1823.6 -511.92,1823.03 -513.78,1822.47 -513.79,1822.46 -513.8,1822.46 -515.48,1821.56 -517.26,1820.61 -517.27,1820.6 -518.74,1819.4 -520.3,1818.12 -520.31,1818.11 -520.32,1818.1 -533.21,1805.21 -535.71,1802.17 -537.57,1798.69 -538.71,1794.92 -539.1,1791 -539.1,1205.7 -543.6,1201.2 -1145.51,1201.2 -1149.43,1200.81 -1153.2,1199.67 -1156.68,1197.81 -1159.72,1195.31 -1291.63,1063.4 -2030.93,1063.4 -2030.9,1803 -2030.93,3916.91 -539.6,3916.91

## Keep-outs
KeepOutLayer:
  lines w10: 6321.26,3352.92 cw(c6245.7,3353.73) 6321.26,3353.73

## Other copper
TOP:
  rectangle net LVDS0_P: 5883,2176 5899,2189
  rectangle net LVDS0_N: 5881,2222 5899,2236
  rectangle net NetIC19_6: 5577,2177 5597,2192
  rectangle net NetIC32_2: 5590,1273 5619,1292
  rectangle net NetIC32_3: 5592,1222 5621,1243
  rectangle net LVDS3_N: 5907,1614 5925,1630
  rectangle net LVDS4_P: 5871.76,1491.22 5908.83,1514.05
  rectangle net LVDS4_N: 5869.69,1542.94 5905.03,1564.79
BOT:
  rectangle net GND: 4099.81,3651.93 4178.55,3735.12
  rectangle net LVDS0_N: 5881,2222 5900,2237
  rectangle net LVDS0_P: 5880,2174 5899,2192
  rectangle net LVDS4_N: 5883,1547 5898,1562
  rectangle net LVDS4_P: 5880,1496 5898,1512
  rectangle net NetIC32_3: 5605,1223 5626,1241
G1 (plane layer: these items are gaps in the copper):
  rectangle: 569.88,866.14 625.11,926.18

## Silkscreen, mask and mechanical layers (free items; w line width, h text height)
TopOverlay:
  drawing of 542 lines, arcs and shapes, not listed
  text "GND" at -2016.67,3848.29 h39.37
  text "WUT ISE / CTI 2024" at 3730.32,3843.58 h40
  text "PT1000_8CH v2.0" at 2559.06,3838.58 h60
  text "SENS7" at -1867.13,3817.82 h47.24
  text "SENS6" at -1572.29,3817.82 h47.24
  text "+12V" at 5963.52,3591.14 h40
  text "GND" at -2007.78,3378.23 h39.37
  text "SENS5" at -1867.13,3329.82 h47.24
  text "SENS4" at -1575.29,3329.82 h47.24
  text "BOOT" at 5779.53,3048.32 h39.37 r270
  text "UART" at 5517,3013.39 h39.37
  text "GND" at 5558.51,2953.03 h39.37 r90
  text "GND" at -2021.56,2885.35 h39.37
  text "TX" at 5483,2876.97 h39.37
  text "SENS3" at -1865.13,2825.82 h47.24
  text "SENS2" at -1573.29,2825.82 h47.24
  text "RX" at 5478.11,2784.74 h39.37
  text "CPU JTAG" at 6181,2721 h39.37
  text "3V3" at 5545,2627.95 h39.37 r90
  text "EEM Downstream" at 5943.17,2525.59 h39.37
  text "/ Upstream" at 5935.29,2441.74 h39.37
  text "GND" at -2002.89,2384.34 h39.37
  text "SENS1" at -1860.83,2343 h47.24
  text "SENS0" at -1569,2343 h47.24
  text "GND" at -1703.83,1556.46 h39.37
  text "TEC3" at -1993.84,1554 h60
  text "TEC2" at -1540,1554 h60
  text "P3V3" at 2446.99,1432.21 h27.56 r90
  text "TEC1" at -1974.68,1099 h60
  text "GND" at -1689.86,1099 h39.37
  text "TEC0" at -1523.79,1099 h60
  text "SDA" at 5834.5,615.76 h39.37
  text "SCL" at 5703.84,612.82 h39.37
  text "P12V0" at 4246.92,300.81 h27.56 r90
BottomOverlay:
  drawing of 541 lines, arcs and shapes, not listed
  text "WUT ISE / CTI 2024" at 1309.06,3843.58 h40
  text "PT1000_8CH v2.0" at 2470.47,3838.58 h60
  text "WUT ISE 2021" at -811.85,2380.91 h40 r270
  text "Thermostat 8CH /  breakout board v1.0" at -751.81,2086.61 h60 r270
BottomSolder:
  rectangle: 7056.77,1696.83 7320.77,1813.83
  rectangle: 7056.77,1133.84 7320.77,1250.84
  rectangle: 7056.77,570.85 7320.77,687.85
  rectangle: 7056.77,7.85 7320.77,124.85
  rectangle: 7056.77,1696.83 7320.77,1813.83
  rectangle: 7056.77,1133.84 7320.77,1250.84
  rectangle: 7056.77,570.85 7320.77,687.85
  rectangle: 7056.77,7.85 7320.77,124.85
  rectangle: 7056.77,570.85 7320.77,687.85
  rectangle: 7056.77,7.85 7320.77,124.85
  rectangle: 7056.77,7.85 7320.77,124.85
  rectangle: 2816.63,-4629.93 3080.63,-4512.93
  rectangle: 1670.96,-3015.76 1934.96,-2898.76
  rectangle: 1757.57,-4354.34 2021.57,-4237.34
  rectangle: 123.72,-1267.72 387.72,-1150.72
  rectangle: 1884.63,341.75 2148.63,458.75
  rectangle: 1856,1738 2120,1855
  rectangle: 1856,2437 2120,2554
  rectangle: 2771.25,2610.98 3035.25,2727.98
  rectangle: 4102,3656 4175,3730
V Cut:
  text "V-cut layer" at -2136.81,4474.06 h196.85
  text "Core / 0.3mm" at 205.71,4425.2 h60
  text "V-cut" at -383.86,3441.13 h39.37
  text "V-cut" at -2321.85,3426.36 h39.37

## Text inside footprints (layer, text, board x,y; h text height)
IC3: TopOverlay "1" at 4421.65,222.01 h47.24 r90; Mechanical14 "1" at 4421.65,222.01 h47.24 r90
J1: TopOverlay "36" at 107.82,2035.67 h47.24 r90; TopOverlay "1" at 376.91,2040.98 h47.24 r90; TopOverlay "68" at 107.82,3043.54 h47.24 r90; TopOverlay "33" at 376.83,3016.55 h47.24 r90; Mechanical14 "1" at 376.91,2040.98 h47.24 r90; Mechanical14 "33" at 376.83,3016.55 h47.24 r90; Mechanical8 "EDGE OF PCB" at -67.78,2400.89 h39.37 r90
J2: TopOverlay "36" at -668.84,3090.12 h47.24 r270; TopOverlay "1" at -937.93,3084.8 h47.24 r270; TopOverlay "68" at -668.84,2082.25 h47.24 r270; TopOverlay "33" at -937.85,2109.24 h47.24 r270; Mechanical14 "1" at -937.93,3084.8 h47.24 r270; Mechanical14 "33" at -937.85,2109.24 h47.24 r270; Mechanical8 "EDGE OF PCB" at -493.24,2724.9 h39.37 r270
J3: DrillDrawing "PRESS-FIT TECHNOLOGY" at 6305.12,669.29 h39.37 r180; DrillDrawing "Diam. 0.5mm +/-0.05" at 6305.12,728.35 h39.37 r180; TopOverlay "A" at 6295.28,51.18 h39.37 r90; TopOverlay "B" at 6240.16,51.18 h39.37 r90; TopOverlay "C" at 6185.04,51.18 h39.37 r90; TopOverlay "D" at 6129.92,90.55 h39.37 r90; TopOverlay "E" at 6074.8,90.55 h39.37 r90; TopOverlay "F" at 6019.69,90.55 h39.37 r90; TopOverlay "G" at 5964.57,90.55 h39.37 r90; TopOverlay "H" at 5909.45,90.55 h39.37 r90; TopOverlay "I" at 5854.33,100.39 h39.37 r90; TopOverlay "J" at 5799.21,90.55 h39.37 r90; TopOverlay "K" at 5744.09,90.55 h39.37 r90; TopOverlay "L" at 5688.98,90.55 h39.37 r90; TopOverlay "1" at 5490.16,163.39 h39.37 r90; TopOverlay "2" at 5490.16,242.13 h39.37 r90; TopOverlay "3" at 5490.16,320.87 h39.37 r90; TopOverlay "4" at 5490.16,399.61 h39.37 r90; TopOverlay "5" at 5490.16,478.35 h39.37 r90; TopOverlay "6" at 5490.16,557.09 h39.37 r90; Mechanical14 "A" at 6295.28,51.18 h39.37 r90; Mechanical14 "B" at 6240.16,51.18 h39.37 r90; Mechanical14 "C" at 6185.04,51.18 h39.37 r90; Mechanical14 "D" at 6129.92,90.55 h39.37 r90; Mechanical14 "E" at 6074.8,90.55 h39.37 r90; Mechanical14 "F" at 6019.69,90.55 h39.37 r90; Mechanical14 "G" at 5964.57,90.55 h39.37 r90; Mechanical14 "H" at 5909.45,90.55 h39.37 r90; Mechanical14 "I" at 5854.33,100.39 h39.37 r90; Mechanical14 "J" at 5799.21,90.55 h39.37 r90; Mechanical14 "K" at 5744.09,90.55 h39.37 r90; Mechanical14 "L" at 5688.98,90.55 h39.37 r90; Mechanical14 "1" at 5490.16,163.39 h39.37 r90; Mechanical14 "2" at 5490.16,242.13 h39.37 r90; Mechanical14 "3" at 5490.16,320.87 h39.37 r90; Mechanical14 "4" at 5490.16,399.61 h39.37 r90; Mechanical14 "5" at 5490.16,478.35 h39.37 r90; Mechanical14 "6" at 5490.16,557.09 h39.37 r90; Mechanical8 "Top Surface of Mother Board" at 6840.55,201.77 h19.68 r90; Mechanical8 "Edge of Daugher Card" at 6387.8,247.05 h19.68 r90
J5: TopOverlay "1" at 5920.9,3529.91 h47.24 r270; Mechanical14 "1" at 5920.9,3529.91 h47.24 r270
J12: TopOverlay "30" at 6242.18,821.79 h40 r270; Mechanical14 "30" at 6242.18,821.79 h40 r270
J32: TopOverlay "5" at -1350.07,1471.65 h39.37; TopOverlay "4" at -1500.07,1471.65 h39.37; TopOverlay "3" at -1650.07,1471.65 h39.37; TopOverlay "2" at -1800.07,1471.65 h39.37; TopOverlay "1" at -1950.07,1471.65 h39.37
J34: TopOverlay "5" at -1355.25,1937.77 h39.37; TopOverlay "4" at -1505.25,1937.77 h39.37; TopOverlay "2" at -1805.25,1937.77 h39.37; TopOverlay "1" at -1955.25,1937.77 h39.37
LD11: TopOverlay "A" at 130.64,1194.69 h39.37 r90; TopOverlay "B" at 230.64,1194.69 h39.37 r90; TopOverlay "C" at 330.64,1194.69 h39.37 r90; TopOverlay "D" at 430.64,1194.69 h39.37 r90; TopOverlay "A" at 511.39,1242.72 h39.37; TopOverlay "C" at 511.39,1142.72 h39.37; Mechanical14 "A" at 130.64,1194.69 h39.37 r90; Mechanical14 "B" at 230.64,1194.69 h39.37 r90; Mechanical14 "C" at 330.64,1194.69 h39.37 r90; Mechanical14 "D" at 430.64,1194.69 h39.37 r90; Mechanical14 "C" at 511.39,1142.72 h39.37; Mechanical14 "A" at 511.39,1242.72 h39.37
LD12: TopOverlay "A" at 129.09,1395.69 h39.37 r90; TopOverlay "B" at 229.09,1395.69 h39.37 r90; TopOverlay "C" at 329.09,1395.69 h39.37 r90; TopOverlay "D" at 429.09,1395.69 h39.37 r90; TopOverlay "A" at 509.84,1443.72 h39.37; TopOverlay "C" at 509.84,1343.72 h39.37; Mechanical14 "A" at 129.09,1395.69 h39.37 r90; Mechanical14 "B" at 229.09,1395.69 h39.37 r90; Mechanical14 "C" at 329.09,1395.69 h39.37 r90; Mechanical14 "D" at 429.09,1395.69 h39.37 r90; Mechanical14 "C" at 509.84,1343.72 h39.37; Mechanical14 "A" at 509.84,1443.72 h39.37
SW1_1: TopOverlay "1" at 1449.72,405.32 h39.37 r90; TopOverlay "ON" at 1250.79,431.98 h35 r180; Mechanical14 "ON" at 1224.71,445.31 h39.37 r90
SW1_2: TopOverlay "ON" at 1250.79,825.68 h35 r180; TopOverlay "1" at 1449.72,799.02 h39.37 r90; Mechanical14 "ON" at 1224.71,839.02 h39.37 r90
SW1_3: TopOverlay "1" at 1449.72,1586.42 h39.37 r90; TopOverlay "ON" at 1250.79,1613.08 h35 r180; Mechanical14 "ON" at 1224.71,1626.42 h39.37 r90
SW1_4: TopOverlay "1" at 1449.72,1192.72 h39.37 r90; TopOverlay "ON" at 1250.79,1219.38 h35 r180; Mechanical14 "ON" at 1224.71,1232.72 h39.37 r90
SW1_5: TopOverlay "1" at 1449.72,1980.12 h39.37 r90; TopOverlay "ON" at 1250.79,2006.78 h35 r180; Mechanical14 "ON" at 1224.71,2020.12 h39.37 r90
SW1_6: TopOverlay "1" at 1449.72,2373.82 h39.37 r90; TopOverlay "ON" at 1250.79,2400.48 h35 r180; Mechanical14 "ON" at 1224.71,2413.82 h39.37 r90
SW1_7: TopOverlay "1" at 1449.72,2767.52 h39.37 r90; TopOverlay "ON" at 1250.79,2794.18 h35 r180; Mechanical14 "ON" at 1224.71,2807.52 h39.37 r90
SW1_8: TopOverlay "1" at 1449.72,3161.22 h39.37 r90; TopOverlay "ON" at 1250.79,3187.88 h35 r180; Mechanical14 "ON" at 1224.71,3201.22 h39.37 r90
SW1_9: TopOverlay "1" at 2630.82,405.32 h39.37 r90; TopOverlay "ON" at 2431.89,431.98 h35 r180; Mechanical14 "ON" at 2405.82,445.31 h39.37 r90
SW1_10: TopOverlay "1" at 2630.82,799.02 h39.37 r90; TopOverlay "ON" at 2431.89,825.68 h35 r180; Mechanical14 "ON" at 2405.82,839.02 h39.37 r90
SW1_11: TopOverlay "1" at 2630.82,1192.72 h39.37 r90; TopOverlay "ON" at 2431.89,1219.38 h35 r180; Mechanical14 "ON" at 2405.82,1232.72 h39.37 r90
SW1_12: TopOverlay "1" at 2630.82,1586.42 h39.37 r90; TopOverlay "ON" at 2431.89,1613.08 h35 r180; Mechanical14 "ON" at 2405.82,1626.42 h39.37 r90
SW1_13: TopOverlay "1" at 2630.82,1980.12 h39.37 r90; TopOverlay "ON" at 2431.89,2006.78 h35 r180; Mechanical14 "ON" at 2405.82,2020.12 h39.37 r90
SW1_14: TopOverlay "1" at 2630.82,2373.82 h39.37 r90; TopOverlay "ON" at 2431.89,2400.48 h35 r180; Mechanical14 "ON" at 2405.82,2413.82 h39.37 r90
SW1_15: TopOverlay "1" at 2630.82,2767.52 h39.37 r90; TopOverlay "ON" at 2431.89,2794.18 h35 r180; Mechanical14 "ON" at 2405.82,2807.52 h39.37 r90
SW1_16: TopOverlay "1" at 2630.82,3161.22 h39.37 r90; TopOverlay "ON" at 2431.89,3187.88 h35 r180; Mechanical14 "ON" at 2405.82,3201.22 h39.37 r90